# KiCad board omodri_laas.kicad_pcb
title: Open MOtor DRiver Initiative (OMODRI); date: 2022-11-24; rev: 3.2; company: LAAS/CNRS
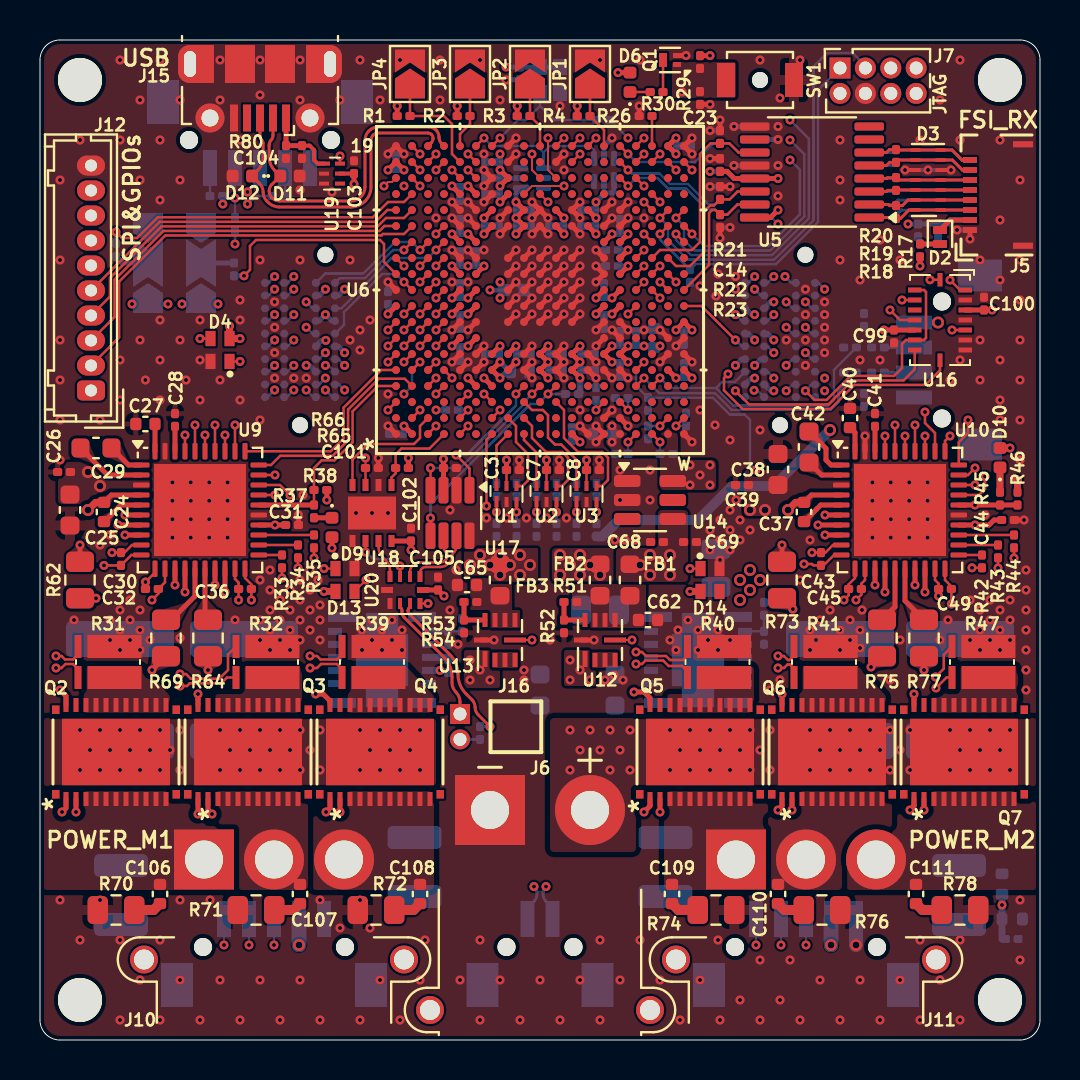
[diagram p0: board, top side]
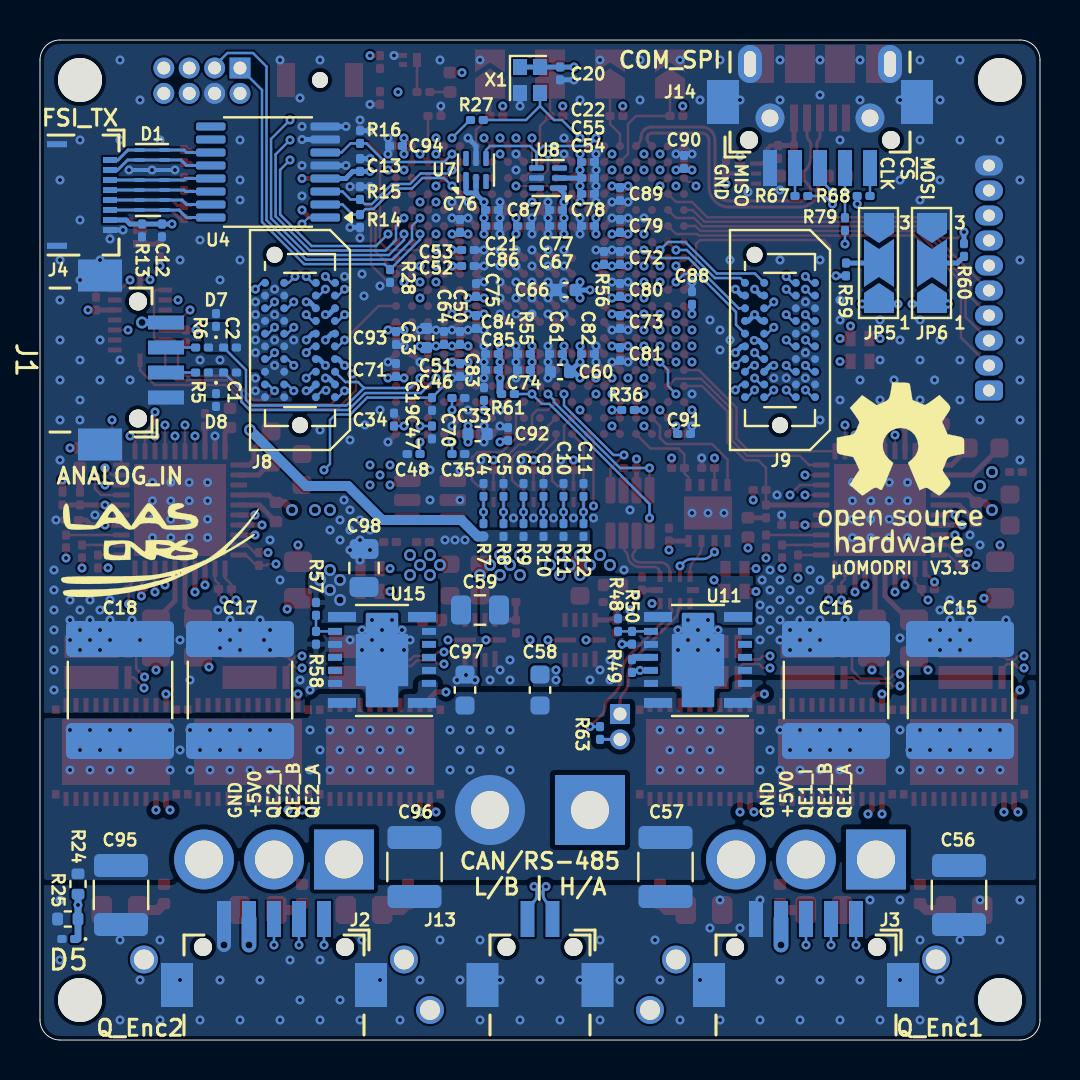
[diagram p1: board, bottom side, seen from below]

Outline 50 x 50 mm; copper layers: Top, In1_GND.Cu (plane), In2_sig.Cu, In3_GND.Cu (plane), In4_sigCu, In5._PWRCu (plane), In6_GND.Cu (plane), Bottom. Coordinates in mm from the lower left corner of the outline.
Outline path: 0,49 arc(0.29,49.71) 1,50 49,50 arc(49.71,49.71) 50,49 50,1 arc(49.71,0.29) 49,0 1,0 arc(0.29,0.29) 0,1 0,49
Stack: Top 0.035mm / dielectric 0.1mm FR4 er 4.5 / In1_GND.Cu 0.035mm / dielectric 0.3mm FR4 er 4.5 / In2_sig.Cu 0.035mm / dielectric 0.1mm FR4 er 4.5 / In3_GND.Cu 0.035mm / dielectric 0.3mm FR4 er 4.5 / In4_sigCu 0.035mm / dielectric 0.1mm FR4 er 4.5 / In5._PWRCu 0.035mm / dielectric 0.3mm FR4 er 4.5 / In6_GND.Cu 0.035mm / dielectric 0.1mm FR4 er 4.5 / Bottom 0.035mm

## Placement (name value [footprint] x y rotation side)
C1  220nF  [C_0201_0603Metric]  40.5 33.38 180 bottom
C2  220nF  [C_0201_0603Metric]  40.5 34.62 180 bottom
C3  100nF  [C_0201_0603Metric]  23.64 28.5 0 top
C4  1.8nF  [C_0201_0603Metric]  27.83 27.5 90 bottom
C5  1.8nF  [C_0201_0603Metric]  26.83 27.5 90 bottom
C6  1.8nF  [C_0201_0603Metric]  25.83 27.5 90 bottom
C7  100nF  [C_0201_0603Metric]  25.64 28.5 0 top
C8  100nF  [C_0201_0603Metric]  27.64 28.5 0 top
C9  1.8nF  [C_0201_0603Metric]  24.83 27.5 90 bottom
C10  1.8nF  [C_0201_0603Metric]  23.83 27.5 90 bottom
C11  1.8nF  [C_0201_0603Metric]  22.83 27.5 90 bottom
C12  100nF  [C_0201_0603Metric]  43.9 40.48 270 bottom
C13  100nF  [C_0201_0603Metric]  34 43.75 90 bottom
C14  100nF  [C_0201_0603Metric]  34 43.75 90 top
C15  22uF  [C_2220_5750Metric]  4 17.5 90 bottom
C16  22uF  [C_2220_5750Metric]  10.2 17.5 90 bottom
C17  22uF  [C_2220_5750Metric]  40 17.5 90 bottom
C18  22uF  [C_2220_5750Metric]  46 17.5 90 bottom
C19  100nF  [C_0201_0603Metric]  30.4 31.8 270 bottom
C20  100nF  [C_0201_0603Metric]  24 48.33 270 bottom
C21  100nF  [C_0201_0603Metric]  27.4 41.5 180 bottom
C22  100nF  [C_0201_0603Metric]  22.6 43.9 180 bottom
C23  100nF  [C_0201_0603Metric]  33 47.1 270 top
C24  1uF  [C_0402_1005Metric]  3.2 26.4 270 top
C25  10uF  [C_0603_1608Metric]  1.5 26.5 270 top
C26  100nF  [C_0201_0603Metric]  1.2 28.4 180 top
C27  1uF  [C_0402_1005Metric]  5.27 30.8 0 top
C28  1uF  [C_0201_0603Metric]  6.75 31 90 top
C29  47nF  [C_0603_1608Metric]  2.8 29.6 0 top
C30  1.8nF  [C_0201_0603Metric]  4.05 24.05 270 top
C31  100nF  [C_0201_0603Metric]  12.6 25.75 0 top
C32  1.8nF  [C_0201_0603Metric]  5.59 22.55 180 top
C33  1.8nF  [C_0201_0603Metric]  27.8 32.3 90 bottom
C34  1.8nF  [C_0201_0603Metric]  32.3 31.02 90 bottom
C35  1.8nF  [C_0201_0603Metric]  29.08 29.3 180 bottom
C36  1.8nF  [C_0201_0603Metric]  10.25 22.55 0 top
C37  1uF  [C_0402_1005Metric]  38.2 26.4 270 top
C38  10uF  [C_0603_1608Metric]  36.9 28.53 90 top
C39  100nF  [C_0201_0603Metric]  35.1 27.75 180 top
C40  1uF  [C_0402_1005Metric]  40.5 31.1 270 top
C41  1uF  [C_0201_0603Metric]  41.75 31 90 top
C42  47nF  [C_0603_1608Metric]  38.45 29.65 90 top
C43  1.8nF  [C_0201_0603Metric]  39.05 24.05 270 top
C44  100nF  [C_0201_0603Metric]  48.4 26 0 top
C45  1.8nF  [C_0201_0603Metric]  40.75 22.55 180 top
C46  1.8nF  [C_0201_0603Metric]  29.08 32.1 180 bottom
C47  1.8nF  [C_0201_0603Metric]  30.4 30.38 270 bottom
C48  1.8nF  [C_0201_0603Metric]  31.32 29.3 0 bottom
C49  1.8nF  [C_0201_0603Metric]  45.25 22.55 0 top
C50  100nF  [C_0201_0603Metric]  29 35.1 90 bottom
C51  100nF  [C_0201_0603Metric]  29 33.5 270 bottom
C52  100nF  [C_0201_0603Metric]  28.6 38.7 180 bottom
C53  100nF  [C_0201_0603Metric]  28.6 39.5 180 bottom
C54  100nF  [C_0201_0603Metric]  22.6 42.3 180 bottom
C55  100nF  [C_0201_0603Metric]  22.6 43.1 180 bottom
C56  10uF  [C_1210_3225Metric]  4.05 7.25 270 bottom
C57  10uF  [C_1210_3225Metric]  18.72 8.65 270 bottom
C58  100nF  [C_0603_1608Metric]  25 17.5 90 bottom
C59  22uF  [C_0805_2012Metric]  28 21.5 0 bottom
C60  10uF  [C_0402_1005Metric]  24 33.4 0 bottom
C61  1uF  [C_0201_0603Metric]  24.2 34.3 0 bottom
C62  10uF  [C_0402_1005Metric]  30.4 21 0 top
C63  10uF  [C_0402_1005Metric]  30.7 35.1 90 bottom
C64  1uF  [C_0201_0603Metric]  29.8 35.1 90 bottom
C65  10uF  [C_0402_1005Metric]  21.35 22.75 180 top
C66  10uF  [C_0402_1005Metric]  23.72 37.5 0 bottom
C67  1uF  [C_0201_0603Metric]  24.2 40.7 0 bottom
C68  1uF  [C_0201_0603Metric]  30.85 24.9 180 top
C69  100nF  [C_0201_0603Metric]  32.5 24.9 0 top
C70  10uF  [C_0402_1005Metric]  28.12 30.3 180 bottom
C71  1uF  [C_0201_0603Metric]  32.2 33.5 90 bottom
C72  100nF  [C_0201_0603Metric]  21 39.1 90 bottom
C73  100nF  [C_0201_0603Metric]  21 35.9 270 bottom
C74  100nF  [C_0201_0603Metric]  25.8 33.5 0 bottom
C75  100nF  [C_0201_0603Metric]  28.2 37.5 90 bottom
C76  100nF  [C_0201_0603Metric]  29 40.7 90 bottom
C77  100nF  [C_0201_0603Metric]  24.2 41.5 0 bottom
C78  100nF  [C_0201_0603Metric]  22.6 40.7 0 bottom
C79  100nF  [C_0201_0603Metric]  21 40.7 90 bottom
C80  100nF  [C_0201_0603Metric]  21 37.5 90 bottom
C81  100nF  [C_0201_0603Metric]  21 34.3 270 bottom
C82  100nF  [C_0201_0603Metric]  22.6 34.3 180 bottom
C83  100nF  [C_0201_0603Metric]  27.4 33.5 0 bottom
C84  100nF  [C_0201_0603Metric]  28.2 35.9 270 bottom
C85  100nF  [C_0201_0603Metric]  27.4 34.3 0 bottom
C86  100nF  [C_0201_0603Metric]  27.4 40.7 180 bottom
C87  100nF  [C_0201_0603Metric]  25.8 40.7 180 bottom
C88  100nF  [C_0201_0603Metric]  17.4 37.1 90 bottom
C89  100nF  [C_0201_0603Metric]  21 42.3 270 bottom
C90  100nF  [C_0201_0603Metric]  17.8 43.9 90 bottom
C91  100nF  [C_0201_0603Metric]  17.8 30.3 180 bottom
C92  100nF  [C_0201_0603Metric]  26.6 30.3 90 bottom
C93  100nF  [C_0201_0603Metric]  32.2 35.1 270 bottom
C94  100nF  [C_0201_0603Metric]  32.2 44.7 0 bottom
C95  10uF  [C_1210_3225Metric]  45.95 7.25 270 bottom
C96  10uF  [C_1210_3225Metric]  31.28 8.65 270 bottom
C97  100nF  [C_0603_1608Metric]  28.75 17.5 90 bottom
C98  22uF  [C_0805_2012Metric]  33.8 23.6 90 bottom
C99  100nF  [C_0201_0603Metric]  42.7 35.18 270 top
C100  100nF  [C_0201_0603Metric]  47.2 36.82 90 top
C101  100nF  [C_0201_0603Metric]  20.5 28.6 0 top
C102  100nF  [C_0201_0603Metric]  18.55 25.27 90 top
C103  100nF  [C_0201_0603Metric]  15.7 43.64 90 top
C104  100nF  [C_0201_0603Metric]  13.1 44.4 90 top
C105  100nF  [C_0201_0603Metric]  19.9 22.82 90 top
C106  4.7nF  [C_0402_1005Metric]  6 7.3 90 top
C107  4.7nF  [C_0402_1005Metric]  13 7.3 90 top
C108  4.7nF  [C_0402_1005Metric]  19 7.3 90 top
C109  4.7nF  [C_0402_1005Metric]  31.6 7.3 90 top
C110  4.7nF  [C_0402_1005Metric]  36.9 7.3 90 top
C111  4.7nF  [C_0402_1005Metric]  43.8 7.3 90 top
D1  TPD6E05U06  [USON_14]  44.4 43 0 bottom
D2  BAT54L  [D_SOD-882]  45 40.15 270 top
D3  TPD6E05U06  [USON_14]  44.4 43 180 top
D4  NeoPixel_1515_SK6805  [NeoPixel_SK6805_1.5x1.5mm]  9 34.5 90 top
D5  TPD1E04U04  [D_0201_0603Metric]  48.59 5.05 0 bottom
D6  LED GREEN  [LED_0402_1005Metric]  29.5 47.88 90 top
D7  TPD1E04U04  [D_0201_0603Metric]  41.2 36 90 bottom
D8  TPD1E04U04  [D_0201_0603Metric]  41.2 32 270 bottom
D9  LED RED  [LED_0402_1005Metric]  14.6 25.62 270 top
D10  LED RED  [LED_0402_1005Metric]  48 29.11 90 top
D11  ESD321  [D_0402_1005Metric]  12.5 43.2 0 top
D12  ESD321  [D_0402_1005Metric]  10.11 43.2 180 top
D13  NeoPixel_1515_SK6805  [NeoPixel_SK6805_1.5x1.5mm]  15.25 23 270 top
D14  NeoPixel_1515_SK6805  [NeoPixel_SK6805_1.5x1.5mm]  33.5 23 270 top
FB1  220R@100MHz  [L_0603_1608Metric]  28 23 90 top
FB2  220R@100MHz  [L_0603_1608Metric]  29.5 23 90 top
FB3  220R@100MHz  [L_0603_1608Metric]  23 23 90 top
G1  SYM_LAAS  [logo_laas]  43.95 24.83 180 bottom
G2  SYM_PROJECT  [logo_OpenHardware]  7 28.7 180 bottom
H1  MountingHole  [MountingHole_2.2mm_M2]  2 2 0 top
H2  MountingHole  [MountingHole_2.2mm_M2]  48 48 0 top
H3  MountingHole  [MountingHole_2.2mm_M2]  2 48 0 top
H4  MountingHole  [MountingHole_2.2mm_M2]  48 2 0 top
J1  conn_01x04_MountingPins  [Hirose_DF13_04P-1.25H_1x04_P1.25mm_Right_angle]  47 34 90 bottom
J2  conn_01x05_MountingPins  [Hirose_DF13_05P-1.25H_1x05_P1.25mm_Right_angle]  38.3 2.75 0 bottom
J3  conn_01x05_MountingPins  [Hirose_DF13_05P-1.25H_1x05_P1.25mm_Right_angle]  11.7 2.75 0 bottom
J4  conn_01x08_MountingPins  [Molex_FBH1_1x08-2MP_P0.50mm_Horizontal]  49.8 42.25 270 bottom
J5  conn_01x08_MountingPins  [Molex_FBH1_1x08-2MP_P0.50mm_Horizontal]  49.8 42.25 90 top
J6  Conn_01x02  [AMASS_XT30PW-M_1x02_P2.50mm_Horizontal]  25 11.5 180 top
J7  Conn_02x04_Odd_Even  [PinSocket_2x04_P1.27mm_Vertical]  40 48.6 90 top
J8  ADM6_ADF6  [ADF6-10-XX.X-XXX-4-X-A-XR]  37 35 90 bottom
J9  ADM6_ADF6  [ADF6-10-XX.X-XXX-4-X-A-XR]  13 35 90 bottom
J10  Conn_01x03  [AMASS_MR30PW-FB_1x03_P3.50mm_Horizontal]  11.7 9.03 180 top
J11  Conn_01x03  [AMASS_MR30PW-FB_1x03_P3.50mm_Horizontal]  38.3 9.03 180 top
J12  Conn_01x10  [Hirose_DF13-10P-1.25DSA_1x10_P1.25mm_Vertical]  2.55 32.47 90 top
J13  conn_01x02_MountingPins  [Hirose_DF13_02P-1.25H_1x02_P1.25mm_Right_angle]  25 2.75 0 bottom
J14  conn_01x05_MountingPins  [Hirose_DF13_05P-1.25H_1x05_P1.25mm_Right_angle]  11 46.9 180 bottom
J15  USB_B_Micro  [USB_Micro-B_Molex-105017-0001]  11 47.56 180 top
J16  Conn_01x02  [SAMTEC_TMS-102-02-G-S-RA]  21 16.3 270 top
JP1  SolderJumper_2_Open  [SolderJumper-2_P1.3mm_Open_TrianglePad1.0x1.5mm]  27.5 48.3 90 top
JP2  SolderJumper_2_Open  [SolderJumper-2_P1.3mm_Open_TrianglePad1.0x1.5mm]  24.5 48.3 90 top
JP3  SolderJumper_2_Open  [SolderJumper-2_P1.3mm_Open_TrianglePad1.0x1.5mm]  21.5 48.3 90 top
JP4  SolderJumper_2_Open  [SolderJumper-2_P1.3mm_Open_TrianglePad1.0x1.5mm]  18.5 48.3 90 top
JP5  SolderJumper_3_Open  [SolderJumper-3_P2.0mm_Open_TrianglePad1.0x1.5mm_NumberLabels]  8.05 38.85 90 bottom
JP6  SolderJumper_3_Open  [SolderJumper-3_P2.0mm_Open_TrianglePad1.0x1.5mm_NumberLabels]  5.4 38.85 90 bottom
Q1  NX7002BKM  [Diodes_DFN1006-3]  31.5 49 180 top
Q2  CSD88599Q5DC  [VSON_CLIP_22]  3.8 14.4 90 top
Q3  CSD88599Q5DC  [VSON_CLIP_22]  10.4 14.4 90 top
Q4  CSD88599Q5DC  [VSON_CLIP_22]  17 14.4 90 top
Q5  CSD88599Q5DC  [VSON_CLIP_22]  33 14.4 90 top
Q6  CSD88599Q5DC  [VSON_CLIP_22]  39.6 14.4 90 top
Q7  CSD88599Q5DC  [VSON_CLIP_22]  46.2 14.4 90 top
R1  10k  [R_0201_0603Metric]  18.18 46.2 0 top
R2  10k  [R_0201_0603Metric]  21.18 46.2 0 top
R3  10k  [R_0201_0603Metric]  24.18 46.2 0 top
R4  10k  [R_0201_0603Metric]  27.18 46.2 0 top
R5  120  [R_0201_0603Metric]  41.9 33.38 0 bottom
R6  120  [R_0201_0603Metric]  41.9 34.62 0 bottom
R7  1k  [R_0201_0603Metric]  27.83 25.5 90 bottom
R8  1k  [R_0201_0603Metric]  26.83 25.5 90 bottom
R9  1k  [R_0201_0603Metric]  25.83 25.5 90 bottom
R10  1k  [R_0201_0603Metric]  24.83 25.5 90 bottom
R11  1k  [R_0201_0603Metric]  23.83 25.5 90 bottom
R12  1k  [R_0201_0603Metric]  22.83 25.5 90 bottom
R13  100k  [R_0201_0603Metric]  44.9 40.48 270 bottom
R14  10k  [R_0201_0603Metric]  34 40.95 90 bottom
R15  10k  [R_0201_0603Metric]  34 42.35 270 bottom
R16  10k  [R_0201_0603Metric]  34 45.15 270 bottom
R17  1k  [R_0201_0603Metric]  44 39.48 270 top
R18  100  [R_0201_0603Metric]  42.8 41.4 270 top
R19  100  [R_0201_0603Metric]  42.8 42.8 90 top
R20  100  [R_0201_0603Metric]  42.8 44.2 270 top
R21  10k  [R_0201_0603Metric]  34 45.15 270 top
R22  10k  [R_0201_0603Metric]  34 42.35 270 top
R23  10k  [R_0201_0603Metric]  34 40.95 90 top
R24  100k  [R_0402_1005Metric]  48.1 7.8 270 bottom
R25  5.1k  [R_0402_1005Metric]  48.61 6.05 0 bottom
R26  10k  [R_0201_0603Metric]  30.28 46.2 180 top
R27  120  [R_0201_0603Metric]  28.16 46 0 bottom
R28  10k  [R_0201_0603Metric]  32.5 38.2 270 bottom
R29  10k  [R_0201_0603Metric]  33 48.9 270 top
R30  120  [R_0201_0603Metric]  30.83 47.4 0 top
R31  0.005  [FC4L32]  3.4 18.9 90 top
R32  0.005  [FC4L32]  11.3 18.9 90 top
R33  120  [R_0201_0603Metric]  12.1 23.93 90 top
R34  120  [R_0201_0603Metric]  12.9 24.43 90 top
R35  120  [R_0201_0603Metric]  13.7 24.93 90 top
R36  10k  [R_0201_0603Metric]  20.6 31.5 180 bottom
R37  1k  [R_0201_0603Metric]  13.7 26.43 270 top
R38  10k  [R_0201_0603Metric]  14.02 27.5 0 top
R39  0.005  [FC4L32]  16.6 18.9 90 top
R40  0.005  [FC4L32]  33.88 18.9 90 top
R41  0.005  [FC4L32]  39.2 18.9 90 top
R42  120  [R_0201_0603Metric]  47.1 23.93 90 top
R43  120  [R_0201_0603Metric]  47.9 24.43 90 top
R44  120  [R_0201_0603Metric]  48.7 24.93 90 top
R45  1k  [R_0201_0603Metric]  48 27.07 90 top
R46  10k  [R_0201_0603Metric]  48.88 27.07 90 top
R47  0.005  [FC4L32]  47.1 18.9 90 top
R48  10k  [R_0201_0603Metric]  21.1 20.75 270 bottom
R49  100k  [R_0201_0603Metric]  20.4 18.7 90 bottom
R50  2.49k  [R_0201_0603Metric]  20.4 20.11 90 bottom
R51  100k  [R_0201_0603Metric]  26.52 21.9 180 top
R52  22.1k  [R_0201_0603Metric]  26.2 20.68 270 top
R53  100k  [R_0201_0603Metric]  21.52 21.9 180 top
R54  100k  [R_0201_0603Metric]  21.2 20.68 270 top
R55  120  [R_0201_0603Metric]  25.8 34.3 0 bottom
R56  120  [R_0201_0603Metric]  21.8 39.1 90 bottom
R57  10k  [R_0201_0603Metric]  36.2 21.56 270 bottom
R58  909  [R_0201_0603Metric]  36.2 20.11 90 bottom
R59  10k  [R_0201_0603Metric]  9.7 38.53 270 bottom
R60  10k  [R_0201_0603Metric]  3.8 39.5 90 bottom
R61  10k  [R_0201_0603Metric]  26.6 32.3 180 bottom
R62  4.7  [R_0805_2012Metric]  2 23 270 top
R63  120  [R_0201_0603Metric]  22 15.35 270 bottom
R64  4.7  [R_0805_2012Metric]  8.4 20.1 270 top
R65  10k  [R_0201_0603Metric]  18.1 28.6 0 top
R66  10k  [R_0201_0603Metric]  16.59 28.6 180 top
R67  10  [R_0201_0603Metric]  11.93 42.2 180 bottom
R68  10  [R_0201_0603Metric]  8.82 42.2 0 bottom
R69  4.7  [R_0805_2012Metric]  6.3 20.1 270 top
R70  2.2  [R_0805_2012Metric]  3.8 6.5 0 top
R71  2.2  [R_0805_2012Metric]  10.8 6.5 0 top
R72  2.2  [R_0805_2012Metric]  16.8 6.5 0 top
R73  4.7  [R_0805_2012Metric]  37.1 23 270 top
R74  2.2  [R_0805_2012Metric]  33.8 6.5 180 top
R75  4.7  [R_0805_2012Metric]  42.1 20.1 270 top
R76  2.2  [R_0805_2012Metric]  39.1 6.5 180 top
R77  4.7  [R_0805_2012Metric]  44.2 20.1 270 top
R78  2.2  [R_0805_2012Metric]  46 6.5 180 top
R79  10k  [R_0201_0603Metric]  9.75 40.8 270 bottom
R80  100k  [R_0201_0603Metric]  12.3 44.4 270 top
SW1  B3U-1000P-B  [SW_SPST_B3U-1000P-B]  36 48 180 top
U1  74LVC2G17  [SOT886_USON_6_1.45x1.0mm_P0.5mm]  23.33 27.3 90 top
U2  74LVC2G17  [SOT886_USON_6_1.45x1.0mm_P0.5mm]  25.33 27.3 90 top
U3  74LVC2G17  [SOT886_USON_6_1.45x1.0mm_P0.5mm]  27.33 27.3 90 top
U4  DSLVDS1047  [TSSOP-16_4.4x5mm_P0.65mm]  38.6 43.4 0 bottom
U5  DSLVDS1048  [TSSOP-16_4.4x5mm_P0.65mm]  38.6 43.4 180 top
U6  TMS320F28388D  [NFBGA_337]  25 37.5 90 top
U7  TPS3703-3.3  [WSON-6_1.5x1.5mm_P0.5mm]  28.2 43.5 90 bottom
U8  TPS3703-1.2  [WSON-6_1.5x1.5mm_P0.5mm]  24.6 43.1 0 bottom
U9  DRV8353S  [QFN-40-1EP_6x6mm_P0.5mm_EP4.6x4.6mm]  8 26.5 0 top
U10  DRV8353S  [QFN-40-1EP_6x6mm_P0.5mm_EP4.6x4.6mm]  43 26.5 0 top
U11  TPSM5601R5  [B3QFN_15]  17.1 19 0 bottom
U12  MPM3804GG-Z  [QFN-10_2x2mm_P0.5mm]  28 20 90 top
U13  MPM3804GG-Z  [QFN-10_2x2mm_P0.5mm]  23 20 90 top
U14  LT6654AIS6-3  [TSOT-23-6]  30.5 27 0 top
U15  TPSM560R6H  [B3QFN_15]  32.9 19 0 bottom
U16  BMI088  [Bosch_LGA-16_4.5x3.0mm_P0.5mm]  45 36 0 top
U17  TCAN3414  [SOT-23-8]  20.5 26.35 270 top
U18  THVD24x0  [VSON-8-1EP_3.0x3.0mm_P0.65mm_EP1.65x2.4mm]  16.6 26.35 270 top
U19  74LVC2G17  [SOT886_USON_6_1.45x1.0mm_P0.5mm]  14.6 43.32 0 top
U20  TS3USB221E  [UQFN-10_1.5x2mm_P0.5mm]  18.25 22.5 270 top
X1  ECS-TXO-2016  [TCXO_SMD_Ecs_TXO-2016-4Pin_2.0x1.6mm]  25.5 48 270 bottom

## Library data of the parts
C1 C2 = -: Description: Unpolarized capacitor; DigiKey: 490-17040-1-ND; Farnell: 3582770; LCSC: C161474; Mouser: 81-GRM033R61C224KE4D; Part No: GRM033R61C224KE14D; Rated Voltage: 16V; ki_fp_filters: C_*
C3 C7 C8 C12-C14 C19-C23 C26 C31 C39 C44 C50-C55 C69 C72-C94 C99-C105 = -: Description: Unpolarized capacitor; DigiKey: 490-12686-1-ND; Farnell: 2990693; LCSC: C76939; Mouser: 81-GRM033R61E104KE4D; Part No: GRM033R61E104KE14D; Rated Voltage: 25V; ki_fp_filters: C_*
C4-C6 C9-C11 C30 C32-C36 C43 C45-C49 = -: Description: Unpolarized capacitor; DigiKey: 490-GRM033R71E182KA12DTR-ND; Farnell: 2999522; LCSC: C237560; Mouser: 81-GRM033R71E182KA2D; Part No: GRM033R71E182KA12D; Rated Voltage: 25V; ki_fp_filters: C_*
C15-C18 = -: Description: Unpolarized capacitor; DigiKey: 445-C5750X7S2A226M280KBCT-ND; Farnell: 3416277; LCSC: C529057; Mouser: 810-C5750X7S2A226280; Part No: C5750X7S2A226M280KB; Rated Voltage: 100V; ki_fp_filters: C_*
C24 C27 C37 C40 = -: Description: Unpolarized capacitor; DigiKey: 445-175218-1-ND; Farnell: 3416060; LCSC: C2169271; Mouser: 810-C1005X5R1V105KE; Part No: C1005X5R1V105K050BE; Rated Voltage: 35V; ki_fp_filters: C_*
C25 C38 = -: Description: Unpolarized capacitor; DigiKey: 490-7202-2-ND; Farnell: 2695906; LCSC: C91606; Mouser: 81-GRM188R61E106MA3D; Part No: GRM188R61E106MA73D; RS: 815-1377; Rated Voltage: 25V; ki_fp_filters: C_*
C28 C41 C61 C64 C67 C68 C71 = -: Description: Unpolarized capacitor; DigiKey: 490-13219-1-ND; Farnell: 3238032; LCSC: C237278; Mouser: 81-GRM033C81A105ME5D; Part No: GRM033C81A105ME05D; Rated Voltage: 10V; ki_fp_filters: C_*
C29 C42 = -: Description: Unpolarized capacitor; DigiKey: 445-6032-1-ND; Farnell: 2906791; LCSC: C2182109; Mouser: 810-C1608X7S2A473K; Part No: C1608X7S2A473K080AB; Rated Voltage: 100V; ki_fp_filters: C_*
C56 C57 C95 C96 = -: Description: Unpolarized capacitor; DigiKey: 445-C3225X7R1N106K250ACCT-ND; Farnell: 3416259; LCSC: C3903313; Mouser: 810-C3225X7R1N106K25; Part No: C3225X7R1N106K250AC; Rated Voltage: 75V; ki_fp_filters: C_*
C58 C97 = -: Description: Unpolarized capacitor; DigiKey: 490-3285-1-ND; Farnell: 1828921; LCSC: C77058; Mouser: 81-GRM188R72A104KA35; Part No: GRM188R72A104KA35D; Rated Voltage: 100V; ki_fp_filters: C_*
C59 C98 = -: Description: Unpolarized capacitor; DigiKey: 490-10749-2-ND; Farnell: 1907510; LCSC: C86816; Mouser: 81-GRM21BR61E226ME4L; Part No: GRM21BR61E226ME44L; RS: 247-8112; Rated Voltage: 25V; ki_fp_filters: C_*
C60 C62 C63 C65 C66 C70 = -: Description: Unpolarized capacitor; DigiKey: 490-13238-2-ND; Farnell: 3582794; LCSC: C412251; Mouser: 81-GRM155R60J106ME5D; Part No: GRM155R60J106ME15D; Rated Voltage: 6.3V; ki_fp_filters: C_*
C106-C111 = -: Description: Unpolarized capacitor; DigiKey: 490-3885-1-ND; Farnell: 3581702; Mouser: 81-GRM155R72A472KA01; Part No: GRM155R72A472KA01D; Rated Voltage: 100V; LCSC: C415704; ki_fp_filters: C_*
D1 D3 = -: Datasheet: https://www.ti.com/lit/ds/symlink/tpd6e05u06.pdf; Description: 6-channel Ultra-low-capacitance IEC ESD protection diodes for Super-Speed (Up to 6 Gbps) Interface; DigiKey: 296-39349-1-ND; LCSC: C962978; Mouser: 595-TPD6E05U06RVZR; Part No: TPD6E05U06RVZR
D2 = -: Datasheet: https://assets.nexperia.com/documents/data-sheet/BAT54L.pdf; Description: 30V 200mA Schottky diode, SOD882 (DFN1006-2); DigiKey: 2156-BAT54L,315-954-ND; Farnell: 2438976; LCSC: C549279; Mouser: 771-BAT54L-T/R; Part No: BAT54L,315; ki_fp_filters: D*SOD?323F*
D4 D13 D14 = -: Datasheet: https://cdn-shop.adafruit.com/product-files/4492/Datasheet.pdf; Description: NeoPixel Addressable 1515 LEDs (1.5mm x 1.5mm); DigiKey: 1528-4492-ND; LCSC: C2890035; Mouser: 485-4492; Part No: SK6805-EC15
D5 D7 D8 = -: Datasheet: https://www.ti.com/lit/ds/symlink/tpd1e04u04.pdf; Description: 1-Channel ESD-Protection for High-Speed Data Interfaces /w Low-Capacitance; DigiKey: 296-47862-1-ND; LCSC: C1973437; Mouser: 595-TPD1E04U04DPLT; Part No: TPD1E04U04DPLT
D6 = -: Description: Light emitting diode; DigiKey: 516-3066-1-ND; Farnell: 2494322; Mouser: 630-HSMG-C280; Part No: HSMG-C280; RS: 867-6560; ki_fp_filters: LED* LED_SMD:* LED_THT:*
D9 D10 = -: Datasheet: https://www.broadcom.com/products/leds-and-displays/chip-leds/0402-1.0-x-0.5mm-top-mount/hsmc-c280; Description: Light emitting diode; DigiKey: 516-3060-1-ND; Farnell: 2494321; LCSC: C5730909; Mouser: 630-HSMC-C280; Part No: HSMC-C280; ki_fp_filters: LED* LED_SMD:* LED_THT:*
D11 D12 = -: Datasheet: https://www.ti.com/lit/ds/symlink/esd321.pdf; Description: 1-Channel, 30 kV ESD Protection Diode with Low Capacitance (< 1pF), 4.5V DC Breakdown Voltage, 0402 package; DigiKey: 296-51108-1-ND; LCSC: C2868952; Mouser: 595-ESD321DPYR; Part No: ESD321DPYR; ki_fp_filters: SOT?23*
FB1-FB3 = -: Description: Ferrite bead, small symbol; DigiKey: 490-5225-1-ND; Farnell: 1515753; LCSC: C88988; Mouser: 81-BLM18SG221TN1D; Part No: BLM18SG221TN1D; RS: 792-6271; ki_fp_filters: Inductor_* L_* *Ferrite*
H1-H4 = -: Description: Mounting Hole without connection; ki_fp_filters: MountingHole*
J1 = -: Datasheet: https://www.hirose.com/en/product/document?clcode=&productname=&series=DF13&documenttype=Catalog&lang=en&documentid=en_DF13_CAT; DigiKey: H126400-ND; Farnell: 2916344; Mouser: 798-DF13-4P-1.25H76; Part No: DF13-4P-1.25H(76); RS: 188-6267; LCSC: C597873
J2 J3 J14 = -: Datasheet: https://www.hirose.com/en/product/document?clcode=&productname=&series=DF13&documenttype=Catalog&lang=en&documentid=en_DF13_CAT; DigiKey: H126405-ND; Farnell: 3019728; Mouser: 798-DF13-5P-1.25H76; Part No: DF13-5P-1.25H(76); RS: 188-6306
J4 J5 = -: Datasheet: https://www.molex.com/pdm_docs/sd/5034800800_sd.pdf; DigiKey: WM1388TR-ND; Farnell: 2396218; LCSC: C293338; Mouser: 538-503480-0800; Part No: 5034800800; RS: 896-7614
J6 = -: Description: Generic connector, single row, 01x02, script generated (kicad-library-utils/schlib/autogen/connector/); LCSC: C431092; Part No: XT30PW-M; RS: 180-5359; ki_fp_filters: Connector*:*_1x??_*
J7 = -: Description: Generic connector, double row, 02x04, odd/even pin numbering scheme (row 1 odd numbers, row 2 even numbers), script generated (kicad-library-utils/schlib/autogen/connector/); DigiKey: 609-3753-ND; Farnell: 2892503; LCSC: C5409364; Mouser: 649-221311-00008T4LF; Part No: 20021311-00008T4LF; ki_fp_filters: Connector*:*_2x??_*
J8 J9 = -: Datasheet: http://suddendocs.samtec.com/prints/adf6-xxx-xx.x-xxx-4-x-x-xr-mkt.pdf; Description: 0.635 mm pitch, High-Density, 4-Row Terminal, low profile, ultra-slim surface mount header & socket.; DigiKey: 612-ADF6-10-03.5-L-4-2-A-TR-ND; Farnell: 3462763; LCSC: C3645391; Mouser: 200-ADF6-10-3.5-L42A; Part No: ADF6-10-03.5-L-4-2-A; RS: 202-7885
J10 J11 = -: Description: Generic connector, single row, 01x03, script generated (kicad-library-utils/schlib/autogen/connector/); LCSC: C7423053; Part No: MR30PW-FB; ki_fp_filters: Connector*:*_1x??_*
J12 = -: Description: Generic connector, single row, 01x10, script generated (kicad-library-utils/schlib/autogen/connector/); DigiKey: H2198-ND; LCSC: C531028; Mouser: 798-DF13-10P-1.25DSA; Part No: DF13-10P-1.25DSA; RS: 188-6354; ki_fp_filters: Connector*:*_1x??_*
J13 = -: Datasheet: https://www.hirose.com/en/product/document?clcode=&productname=&series=DF13&documenttype=Catalog&lang=en&documentid=en_DF13_CAT; DigiKey: H126390-ND; Farnell: 2427585; Mouser: 798-DF13-2P-1.25H76; Part No: DF13-2P-1.25H(76); RS: 188-6440; LCSC: C597868
J15 = -: Datasheet: https://www.molex.com/en-us/products/part-detail/1050170001; Description: USB Micro Type B connector; DigiKey: WM1399CT-ND; Farnell: 3500663; LCSC: C136000; Mouser: 538-105017-0001; Part No: 1050170001; RS: 848-6764; ki_fp_filters: USB*